# Allegro board AB9.brd (continued)
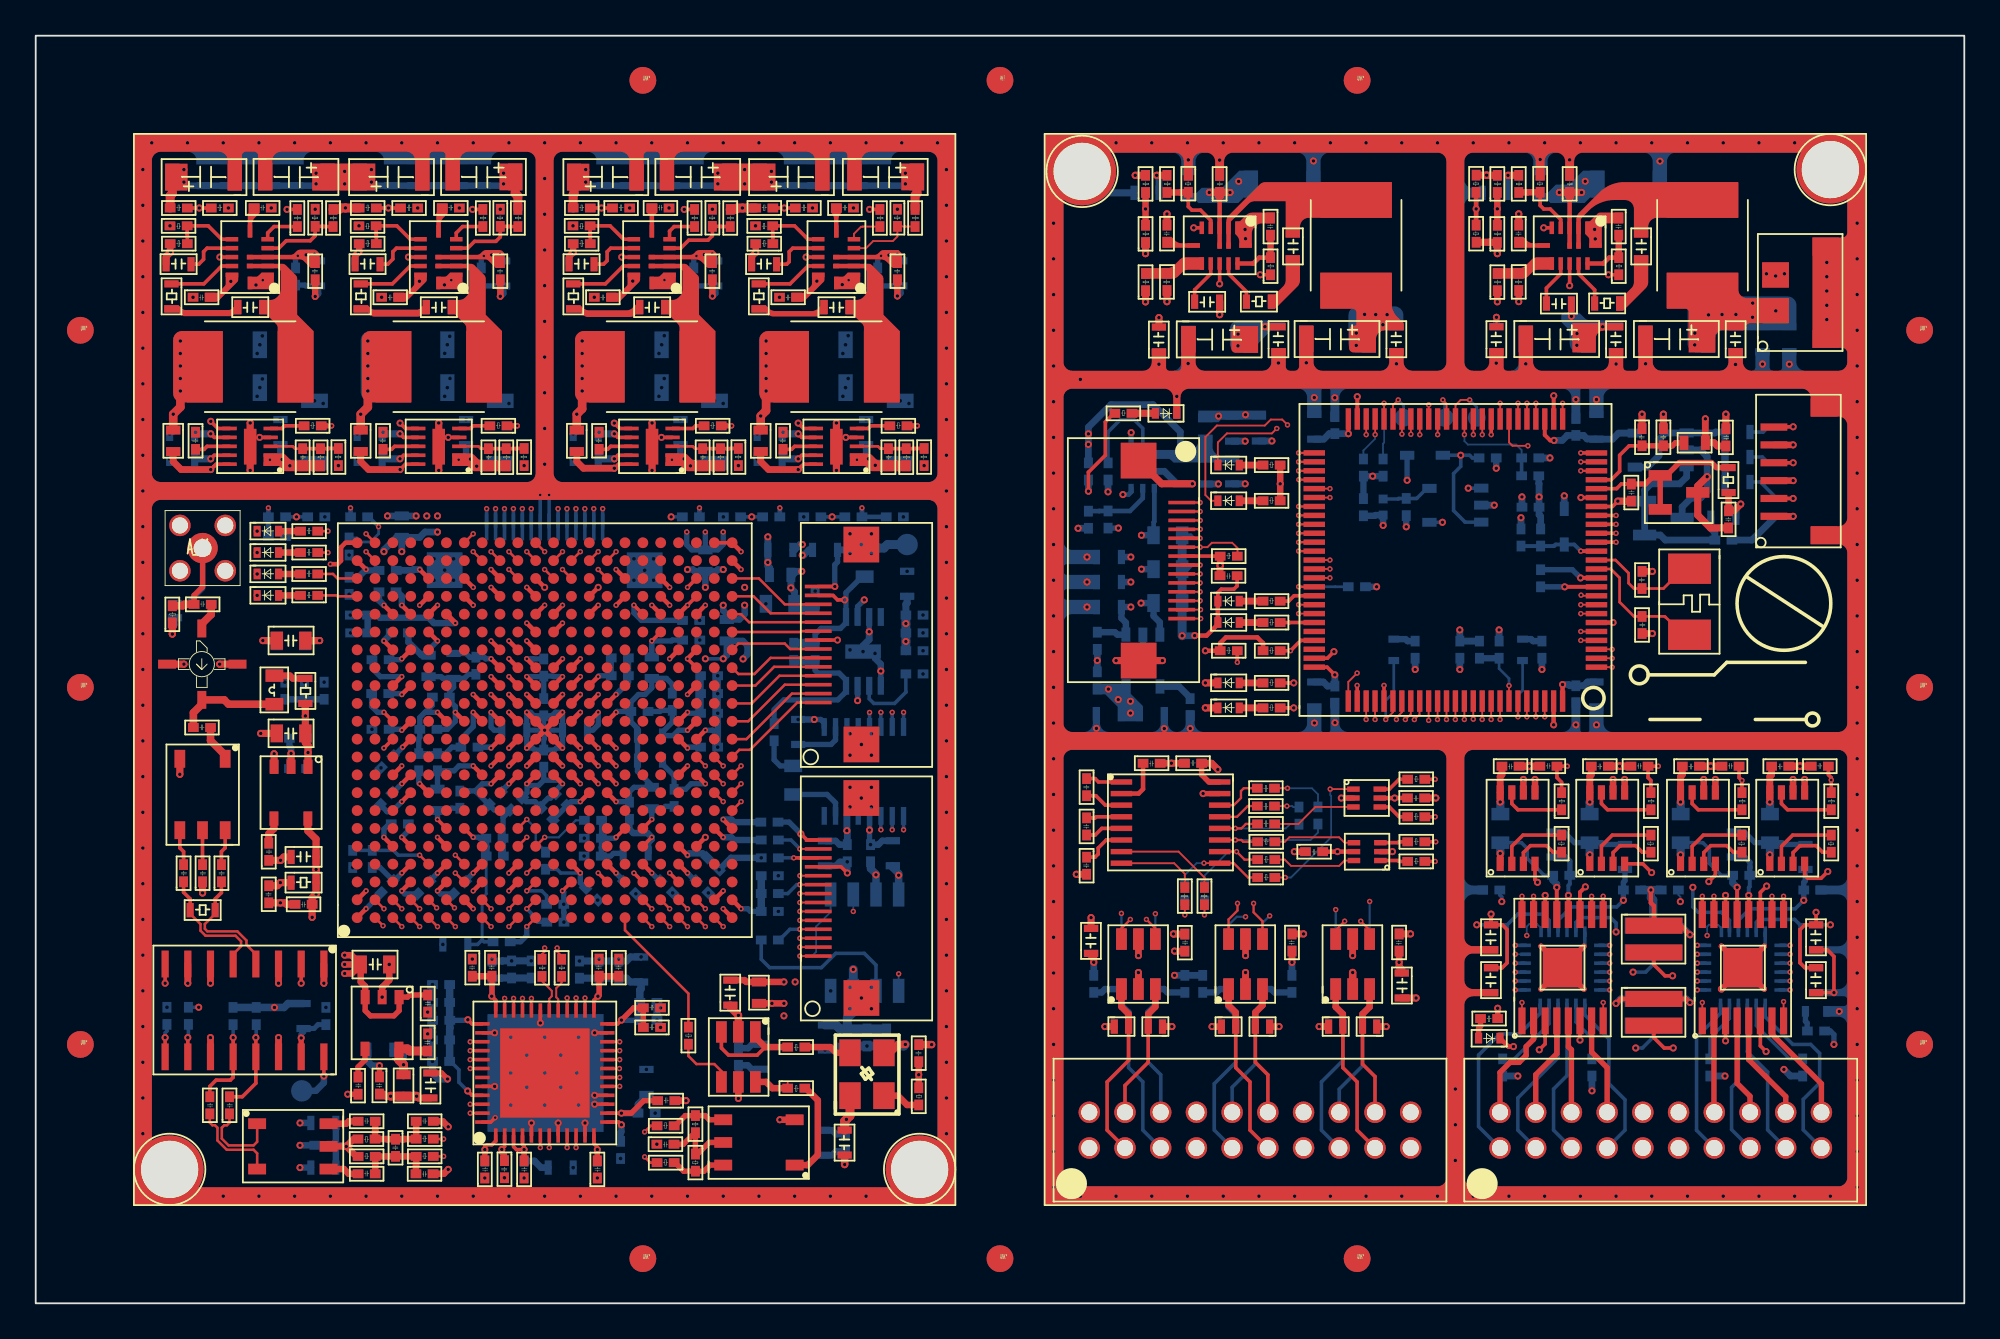
[diagram p0: board, top side]
## Routing (per net, layer and track width the routed paths; a pad name or vN(x,y) marks a point on that pad's centre or on a via; arc(x,y) is an arc through that point) (continued)
B_BOOT1: length 6.1
  TOP w0.1: B_U4.37 v1(80.01,48.66)
  BOTTOM w0.1: v1(80.01,48.66) 80.01,48.29 80.2,48.1 82.9,48.1 83.21,47.79 B_R55.1
  BOTTOM w0.2: B_R55.1 B_R60.1
B_ENC1_A: length 10
  BOTTOM w0.2: B_D21.2 73.2,13.6 72,12.4 72,9.7 B_J4.8
  BOTTOM w0.36: B_D21.2 73.2,16.21 72.8,16.61 B_U22.3
B_ENC1_A_BUF: length 68.6
  TOP w0.127: v1(86.53,47.13) B_U4.24
  SIGNAL-L7 w0.127: v1(72.8,22.05) 72.8,22.5 72.35,22.95 65.11,22.95 64.08,23.99 64.08,30.39 64.06,30.4 64.06,35.82 62.88,37 62.88,38.81 63.7,39.64 63.7,46.36 64.76,47.42 67.67,47.42 68.56,46.53 68.56,45.32 68.13,44.88 68.13,42.1 68.91,41.33 70.87,41.33 71.33,41.78 71.33,43.33 72.45,44.45 73.85,44.45 74.75,45.35 77.79,45.35 79.34,46.89 80.71,46.89 81.2,47.39 82.16,47.39 83.15,46.39 84.87,46.39 85.6,47.13 v1(86.53,47.13)
  BOTTOM w0.127: v1(72.8,22.05) B_U22.4
B_ENC1_B: length 7.6
  BOTTOM w0.2: B_D20.2 74.3,13.3 73,12 B_J4.13
  BOTTOM w0.36: B_U22.1 74.7,16.61 74.3,16.21 B_D20.2
B_ENC1_B_BUF: length 68.5
  TOP w0.127: B_U4.23 v1(86.53,46.63)
  SIGNAL-L7 w0.127: v1(74.7,22.51) 73.76,23.45 65.45,23.45 64.63,24.27 64.63,29.89 65.49,30.75 65.49,32.38 64.61,33.26 64.61,36.19 63.48,37.31 63.48,38.54 64.15,39.21 64.15,46.08 64.95,46.88 66.57,46.88 66.58,46.88 66.58,46.87 67.03,46.42 67.03,45.22 67.33,44.91 67.33,41.66 68.34,40.65 71.01,40.65 71.95,41.59 71.95,42.86 72.87,43.78 74.38,43.78 75.41,44.8 78.19,44.8 79.64,46.25 81.01,46.25 81.42,45.83 85.29,45.83 86.09,46.63 v1(86.53,46.63)
  BOTTOM w0.127: v1(74.7,22.51) B_U22.6
B_ENC2_A: length 7.4
  TOP w0.2: B_J4.12 75,12.7 74.3,13.4 B_D13.2
  TOP w0.36: B_U14.3 74.7,16.6 74.3,16.2 B_D13.2
B_ENC2_A_BUF: length 18.1
  TOP w0.1: 81,33.73 v1(81,32.7)
  TOP w0.127: v1(74.2,21.4) 74.7,20.9 B_U14.4
  SIGNAL-L7 w0.1: v1(81,32.7) 81,25.23 77.18,21.4 v1(74.2,21.4)
B_ENC2_B: length 9.8
  TOP w0.2: B_J4.9 74,9.7 74,12.4 73.2,13.2 B_D12.2
  TOP w0.36: B_D12.2 73.2,16.2 72.8,16.6 B_U14.1
B_ENC2_B_BUF: length 18.3
  TOP w0.1: 80.5,33.73 v1(80.5,32.72)
  TOP w0.127: B_U14.6 72.8,20.9 v1(73.3,21.4)
  SIGNAL-L7 w0.1: v1(80.5,32.72) 80.5,25.58 76.85,21.93 73.83,21.93 v1(73.3,21.4)
B_ENC3_A: length 7.4
  TOP w0.2: B_D11.2 68.3,13.5 69,12.8 B_J4.15
  TOP w0.36: B_D11.2 68.3,16.29 68.7,16.69 B_U13.3
B_ENC3_A_BUF: length 25.3
  TOP w0.127: B_U4.60 v1(70.72,43.13) ; B_U13.4 68.7,21.4 68.2,21.9 v1(68.2,22.4)
  SIGNAL-L3 w0.127: v1(68.2,22.4) 68.44,22.64 68.44,41.61 69.96,43.13 v1(70.72,43.13)
B_ENC3_B: length 9.8
  TOP w0.2: B_D10.2 67.2,13.2 68,12.4 68,9.7 B_J4.6
  TOP w0.36: B_U13.1 66.8,16.69 67.2,16.29 B_D10.2
B_ENC3_B_BUF: length 26.3
  TOP w0.127: B_U13.6 66.8,21.5 67.3,22 v1(67.3,22.4) ; B_U4.59 v1(70.72,43.63)
  SIGNAL-L3 w0.127: v1(70.72,43.63) 69.71,43.63 67.87,41.79 67.87,22.97 v1(67.3,22.4)
B_ENC4_A: length 7.6
  TOP w0.2: B_J4.19 61,12.2 62.3,13.5 B_D9.2
  TOP w0.36: B_U12.3 62.7,16.61 62.3,16.21 B_D9.2
B_ENC4_A_BUF: length 52.6
  TOP w0.1: B_U4.40 v1(78.51,48.66)
  TOP w0.127: B_U12.4 62.7,21 v1(62.2,21.5)
  SIGNAL-L7 w0.127: v1(78.51,48.66) 78.51,48.3 77.59,47.38 71.97,47.38 70.98,48.37 70.98,49.35 68.91,51.42 66.29,51.42 65.42,50.54 65.42,49.64 62.92,47.15 62.92,45.44 61.74,44.25 60.5,44.25 59.97,43.73 59.97,37.58 58.75,36.36 58.75,28.73 62.2,25.28 v1(62.2,21.5)
B_ENC4_B: length 10
  TOP w0.2: B_J4.2 60,9.7 60,12.4 61.2,13.6 B_D8.2
  TOP w0.36: B_D8.2 61.2,16.21 60.8,16.61 B_U12.1
B_ENC4_B_BUF: length 52.4
  TOP w0.1: B_U4.42 v1(77.51,48.66)
  TOP w0.127: B_U12.6 60.8,21 v1(61.3,21.5)
  SIGNAL-L7 w0.127: v1(77.51,48.66) 77.51,48.32 77.12,47.93 72.28,47.93 71.61,48.6 71.61,49.6 69.27,51.93 65.87,51.93 64.77,50.84 64.77,50 62.35,47.59 62.35,45.65 61.45,44.74 60.43,44.74 59.5,43.81 59.5,38.28 58.02,36.8 58.02,28.19 61.55,24.66 61.55,21.75 v1(61.3,21.5)
B_GND: length 201
  TOP w0.2: B_J3.8 v1(65.21,41.35) ; B_U4.74 72.33,36.13 v2(72.7,36.5) ; B_C45.1 100.33,19.8 100.7,19.43 v2(100.7,17.4) B_C51.1 ; B_C26.2 67.28,40.18 67.1,40 66.39,40 66.2,39.81 B_D4.1 ; B_U4.19 88.3,44.63 v2(88.6,44.93) ; B_U4.20 v2(86.53,45.13) ; B_J3.5 v1(65.21,42.85)
  TOP w0.22: B_U4.10 v2(85.62,40.13) ; B_U4.49 v2(74.01,50.78) ; B_U15.13 v2(85.18,23.3) ; B_U16.13 v2(95.28,23.3) ; B_U4.27 v2(85.01,50.83)
  TOP w0.25: 85,33.73 v2(85,32.4) ; B_D4.1 B_D5.1 66.2,38.03 65.57,37.4 v2(64.9,37.4) ; v2(92.64,16.85) 92.44,17.05 B_R51.1 88.74,17.05 88.5,16.8 v2(88.5,16.8) ; B_D14.1 82.47,14.38 v2(82.75,14.38) ; v2(90.45,23.15) 90.45,22.43 90.62,22.26 B_R50.1 92.13,21.15 v2(92.64,20.64)
  TOP w0.3: B_U15.17 v1(86.7,17.6) ; B_U15.17 v1(84.3,20) ; B_U15.17 v1(86.7,20) ; B_U15.17 v1(84.3,17.6) ; B_U5.2 v2(73.11,28.3) ; v1(94.4,20) B_U16.17 ; B_U16.17 v2(94.4,17.6) ; B_U16.17 v1(96.8,20) ; B_U16.17 v1(96.8,17.6) ; B_U6.15 v2(65.37,28.55) ; B_U11.2 v2(75.98,25.3)
  TOP w0.36: B_U9.6 v2(93.41,29.34) ; B_U10.5 v2(99.06,29.34) ; B_J2.5 v2(98.42,48.08) ; B_U10.6 v2(98.41,29.34) ; B_U7.5 v2(83.96,29.34) ; B_U7.6 v2(83.31,29.34) ; B_U9.5 v2(94.06,29.34) ; B_J2.3 v2(98.42,46.08) ; B_U10.1 v2(97.11,25.12) ; B_C42.1 v2(70.48,25.3) ; B_U8.5 v2(88.98,29.34) ; B_D11.1 v2(69.63,15.5) ; B_R15.1 v2(81.85,56.09) ; B_U9.1 v2(92.11,25.12) ; B_U8.6 v2(88.33,29.34) ; B_D10.1 v2(65.87,15.5) ; B_U7.1 v2(82.01,25.2) ; B_J2.1 v2(98.42,44.08) ; B_U8.1 v2(87.03,25.12)
  TOP w0.38: B_D8.1 v2(59.87,15.5) ; B_U13.2 v2(67.75,18.53) ; B_U12.2 v2(61.75,18.53) ; v2(63.71,20.69) 63.72,20.68 B_C47.2 ; B_D9.1 v2(63.63,15.5) ; B_C52.2 v2(77.3,17.1) ; B_C48.1 v2(71,20.69) ; B_C43.2 v2(58.27,24.03) ; B_C46.2 v2(59.1,21.6) ; B_C27.1 v2(90.53,40.99) ; B_D12.1 v2(71.87,15.5) ; B_C28.1 v2(90.53,37.51) ; B_C30.2 v2(63.6,30.25) B_C29.2 ; B_D13.1 v2(75.63,15.5) ; B_C49.1 v2(76.99,20.69) ; B_C40.2 v2(78.41,28.3)
  TOP w0.4: B_C5.1 v2(63.35,61.02) ; B_J3.M1 63.06,45.9 v2(64.77,45.9) ; B_C22.1 v2(91.15,49.8) ; v2(63.09,36) B_J3.M2 v2(60.5,36) ; B_C23.2 v2(94.65,49.8) ; B_C24.1 v2(88.6,44.93) ; v2(81.85,58.79) B_R10.1 81.42,59.42 81.41,59.43 B_R9.2 ; B_R13.1 v2(62.15,56.09) ; B_C6.1 v2(83.05,61.02) ; B_D7.1 v2(65.5,33.35) ; B_C25.2 93.79,43.43 93.07,44.15 B_U3.3 93.07,45.77 v2(93.6,46.3) ; B_D6.1 v2(65.5,34.75) ; B_C21.1 v2(89.95,49.8) ; B_R8.1 v2(62.15,58.79)
  TOP w0.42: B_U14.2 v2(73.75,18.53) ; B_C38.2 v2(98.8,30.08) B_C37.2 ; B_C31.2 v2(83.65,30.08) B_C32.2 ; B_C35.2 v2(93.8,30.08) B_C36.2 ; B_C33.2 v2(88.7,30.08) B_C34.2
  BOTTOM w0.2: B_U15.17 v1(86.7,17.6) ; B_U15.17 v1(86.7,20) 86.75,20.05 B_U26.18 ; B_U15.17 v1(84.3,17.6) ; B_U15.17 v1(84.3,20) ; B_C87.1 64.52,41.12 64.75,41.35 v1(65.21,41.35) ; v1(65.21,42.85) 64.85,42.85 64.68,43.02 B_C83.1 ; B_C112.2 84.47,23.97 83.52,24.92 83.52,25.47 83.2,25.8 B_C106.1 ; B_U25.18 96.85,20.05 v1(96.8,20) ; B_C111.2 94.39,23.97 93.72,24.64 93.72,25.43 93.36,25.8 B_C104.1
  BOTTOM w0.26: B_U18.3 61.34,45.44 61.2,45.3 v2(60.88,45.3)
  BOTTOM w0.3: B_C108.2 85.58,26.4 86.18,25.8 B_C105.1 87.7,25.8 87.8,25.7 B_C110.2 ; v1(96.8,20) B_U16.17 ; B_U16.17 v1(96.8,17.6) ; B_U16.17 v1(94.4,20) ; B_U16.17 v2(94.4,17.6) ; B_C109.2 97.9,25.7 97.8,25.8 B_C103.1 96.28,25.8 95.68,26.4 B_C107.2 ; B_C88.2 v2(85.62,40.13)
  BOTTOM w0.36: B_D11.1 v2(69.63,15.5) ; B_R56.2 v2(74.87,46.33) B_R57.2 B_C81.2 ; B_C76.1 v2(81.79,46.77) ; B_D10.1 v2(65.87,15.5) ; B_C80.2 v2(76.75,43.49)
  BOTTOM w0.38: B_D13.1 v2(75.63,15.5) ; B_C120.1 v2(63.71,20.69) ; B_U17.2 93.22,47.8 93.6,47.42 v2(93.6,46.3) 93.6,45.48 93.22,45.1 92.7,45.1 92.2,44.6 B_U20.3 ; B_C75.1 v2(67.73,48.29) ; B_U14.2 v2(73.75,18.53) ; B_C49.1 v2(76.99,20.69) ; B_C93.2 v2(79.75,35.5) ; v2(88.5,16.8) 88.75,17.05 B_R82.1 92.44,17.05 v2(92.64,16.85) ; B_U18.7 63.2,46.6 63.9,45.9 B_C79.2 v2(64.77,45.9) ; B_C74.1 v2(69.23,48.3) ; B_D9.1 v2(63.63,15.5) ; B_R85.2 v2(94.6,12.73) ; B_C111.2 95.03,23.55 v2(95.28,23.3) ; B_C94.2 v2(59.45,36.01) B_C92.2 ; B_R55.2 v2(84.8,47.35) ; B_D12.1 v2(71.87,15.5) ; v2(63.09,36) 62.4,36 62,36.4 B_U21.2 ; B_C85.1 96.11,42.75 97.44,44.08 v2(98.42,44.08) ; B_C102.2 63.6,30.25 v2(63.6,30.25) ; B_C82.2 v2(83.23,45.17) ; B_C48.1 v2(71,20.69) ; B_D16.1 v2(85.6,45.23) ; B_D8.1 v2(59.87,15.5) ; B_C46.2 v2(59.1,21.6) ; B_C52.2 v2(77.3,17.1) ; B_C77.1 v2(67.73,45.9) ; B_C84.1 v2(83.17,44) ; v2(64.2,37.39) 64.89,37.39 v2(64.9,37.4) ; B_R86.2 v2(87.15,11.9) ; v2(92.64,20.64) 92.13,21.15 B_R77.1 ; B_C14.1 81.8,52.67 v2(81.79,52.66) ; B_R84.2 98.27,12.73 v2(97.9,13.1) ; B_R68.1 v2(81.95,37.72) ; B_R64.1 v2(58.37,43.41) ; B_C78.1 v2(66.23,45.89) ; v2(85.18,23.3) 85.18,23.47 84.95,23.7 B_C112.2 ; B_U19.2 v2(81.68,44.7) ; B_U12.2 v2(61.75,18.53) ; B_U13.2 v2(67.75,18.53) ; B_R87.2 v2(83,12.73)
  BOTTOM w0.4: 58.6,63.4 59.8,62.2 B_C58.1
  BOTTOM w0.46: v2(82.01,25.2) 82.02,25.21 B_C106.1 ; v2(90.45,23.15) B_C114.2 ; v2(90.45,23.15) B_R73.2 ; v2(90.45,23.15) 90.45,22.72 90.58,22.59 B_R77.1 ; v2(97.11,25.12) 97.12,25.13 B_C103.1 ; B_C105.1 87.02,25.13 v2(87.03,25.12) ; v2(92.11,25.12) 92.12,25.13 B_C104.1
  BOTTOM w0.5: B_C83.1 B_C87.1 B_C90.1 v2(64.2,37.39)
  vias: v2(57,60.5) v2(57,58.5) v2(57,56.5) v2(57,54.5) v2(57,52.5) v2(57,50.5) v2(57,48.5) v2(57,46.5) v2(57,44.5) v2(57,42.5) v2(57,40.5) v2(57,38.5) v2(57,36.5) v2(57,34.5) v2(57,32.5) v2(57,30.5) v2(57,28.5) v2(57,26.5) v2(57,24.5) v2(57,22.5) v2(57,20.5) v2(57,18.5) v2(57,16.5) v2(57,14.5) v2(57,12.5) v2(57,10.5) v2(57,8.5) v2(57,6.5) v2(58.5,51.75) v2(58.5,6) v2(58.87,41.8) v2(58.87,40.4) v2(58.87,39) v2(59.4,32.2) v2(60.5,65) v2(60.5,6) v2(62.5,65) v2(62.5,6) v2(62.9,52.6) v2(63.2,32.19) v2(63.9,50.8) v2(64.5,65) v2(64.55,64.04) v2(64.53,52.64) v2(64.5,6) v2(64.65,32.2) v2(66.3,64.03) v2(66.5,65) v2(66.5,6) v2(67.72,60.15) v2(67.75,59.63) v2(68.04,60.61) v2(68.5,65) v2(68.5,6) v2(69.59,52.67) v2(70.5,65) v2(70.5,6) v2(71.15,52.68) v2(71.55,63.98) v2(71.6,50.73) v2(71.61,32.5) v2(72.5,65) v2(72.5,6) v2(72.75,50.72) v2(72.76,32.52) v2(74.5,65) v2(74.5,6) v2(76.2,52.62) v2(76.5,65) v2(76.5,6) v2(78.5,65) v2(78.5,6) v2(79.5,12) v2(79.5,10) v2(79.5,8) v2(80.5,65) v2(80.5,6) v2(82.5,65) v2(82.5,6) v2(83.44,52.62) v2(84.25,64.07) v2(84.5,65) v2(84.5,6) v2(85.9,64.05) v2(86.25,50.62) v2(86.25,32.4) v2(86.5,65) v2(86.5,6) v2(87.3,60.15) v2(87.33,59.62) v2(87.4,50.62) v2(87.4,32.4) v2(87.64,60.61) v2(88.5,65) v2(88.5,52.61) v2(88.5,6) v2(90.15,52.62) v2(90.5,65) v2(90.5,6) v2(90.96,63.97) v2(92.5,65) v2(92.5,6) v2(94.5,65) v2(94.5,6) v2(95.19,52.59) v2(96.5,65) v2(96.5,6) v2(96.7,52.61) v2(96.92,57.66) v2(97.44,57.54) v2(97.93,57.66) v2(98.2,52.6) v2(98.5,65) v2(98.5,6) v2(100.3,58.3) v2(100.3,57.5) v2(100.3,56.7) v2(100.3,55.9) v2(100.3,55.1) v2(100.5,6) v2(101,16.35) v2(102,60.5) v2(102,58.5) v2(102,56.5) v2(102,54.5) v2(102,52.5) v2(102,50.5) v2(102,48.5) v2(102,46.5) v2(102,44.5) v2(102,42.5) v2(102,40.5) v2(102,38.5) v2(102,36.5) v2(102,34.5) v2(102,32.5) v2(102,30.5) v2(102,28.5) v2(102,26.5) v2(102,24.5) v2(102,22.5) v2(102,20.5) v2(102,18.5) v2(102,16.5) v2(102,14.5) v2(102,12.5) v2(102,10.5) v2(102,8.5) v2(102,6.5)
B_LIMIT_SW1: length 30.8
  TOP w0.127: B_U4.57 v1(70.72,44.63)
  SIGNAL-L3 w0.127: v1(70.72,44.63) 69.21,44.63 66.63,42.05 66.12,42.05 65.75,41.69 65.75,40.64 66.2,40.2 66.2,32.44 64.22,30.46 64.22,25.68 60.8,22.26 v1(60.8,21.84)
  BOTTOM w0.127: B_U24.4 v1(60.8,21.84)
B_LIMIT_SW2: length 28.7
  TOP w0.127: v1(70.72,44.13) B_U4.58
  SIGNAL-L3 w0.127: v1(62.7,21.82) 62.7,22.95 64.8,25.05 64.8,30.13 66.8,32.13 66.8,40.24 67.04,40.48 67.04,41.73 69.44,44.13 v1(70.72,44.13)
  BOTTOM w0.127: B_U24.6 v1(62.7,21.82)
B_LIMIT_SW3: length 25.6
  TOP w0.127: B_U4.61 v1(70.72,42.63)
  SIGNAL-L3 w0.127: v1(67.75,21.65) 68.25,21.65 68.91,22.31 68.91,41.34 70.21,42.63 v1(70.72,42.63)
  BOTTOM w0.127: v1(67.75,21.65) 67.26,21.65 66.8,21.19 B_U23.4
B_LIMIT_SW4: length 23.6
  TOP w0.127: v1(70.72,42.13) B_U4.62
  SIGNAL-L3 w0.127: v1(69.1,21.7) 69.58,22.18 69.58,41.33 70.38,42.13 v1(70.72,42.13)
  BOTTOM w0.127: v1(69.1,21.7) 68.7,21.3 B_U23.6
B_LSW1: length 11.4
  BOTTOM w0.2: B_D25.2 61.2,13.2 62,12.4 62,9.7 B_J4.3
  BOTTOM w0.36: B_R81.1 59.69,17.41 59.88,17.6 B_U24.3 60.8,16.69 61.2,16.29 B_D25.2
B_LSW2: length 9.1
  BOTTOM w0.2: B_D24.2 62.3,13.5 63,12.8 B_J4.18
  BOTTOM w0.36: B_R80.1 63.38,17.41 63.19,17.6 B_U24.1 62.7,16.69 62.3,16.29 B_D24.2
B_LSW3: length 11.5
  BOTTOM w0.2: B_J4.5 66,9.7 66,12.3 67.2,13.5 B_D23.2
  BOTTOM w0.36: B_D23.2 67.2,16.21 66.8,16.61 B_U23.3 66.31,17.6 66.12,17.41 B_R79.1
B_LSW4: length 9.3
  BOTTOM w0.2: B_D22.2 68.3,13.4 67,12.1 B_J4.16
  BOTTOM w0.36: B_D22.2 68.3,16.29 68.7,16.69 B_U23.1 69.19,17.6 69.38,17.41 B_R78.1
B_M1_DRV+: length 6.2
  TOP w0.3: B_U15.2 83.88,14.79 83.46,14.38 83.46,13.89 83.07,13.49 82.56,13.49 82,12.93 B_J5.20
B_M1_DRV-: length 5.6
  TOP w0.3: B_U15.4 85.18,13.98 84,12.8 B_J5.19
B_M1_I_ADC: length 27.3
  TOP w0.2: B_U4.16 v1(88.5,43.13) ; B_R33.2 90.45,29.28 90.29,29.44 B_C34.1 v1(90.87,30.08)
  SIGNAL-L3 w0.15: v1(88.5,43.13) 94.57,43.13 97.02,40.69 97.02,33.76 94.63,31.37 92.15,31.37 v1(90.87,30.08)
B_M1_PWM+: length 31.1
  TOP w0.1: B_U4.64 v1(72.48,41.13)
  TOP w0.2: B_U15.10 v1(87.13,22.8)
  SIGNAL-L4 w0.1: v1(87.13,22.8) 88.22,23.89 88.22,25.43 87.05,26.6 86.12,26.6 85.04,27.68 85.04,29.85 82.5,32.39 82.5,33.56 80.8,35.27 80.8,38.55 78.21,41.13 v1(72.48,41.13)
B_M1_PWM-: length 32.7
  TOP w0.1: v1(81.01,48.66) B_U4.35
  TOP w0.2: B_U15.9 v1(87.78,22.8)
  SIGNAL-L8 w0.1: v1(81.01,48.66) 81.01,37.23 84.11,34.13 85.36,34.13 86.83,32.66 86.83,29.42 85.93,28.53 85.93,27.5 88.54,24.9 88.54,23.55 v1(87.78,22.8)
B_M2_DRV+: length 5.5
  TOP w0.3: B_U15.7 87.13,14.07 88,13.2 B_J5.17
B_M2_DRV-: length 5.2
  TOP w0.3: B_J5.18 86,14.2 85.83,14.37 B_U15.5
B_M2_I_ADC: length 29.9
  TOP w0.2: B_U4.15 v1(88.5,42.63) ; v1(85.77,30.08) B_C32.1 85.19,29.44 85.45,29.18 B_R32.2
  SIGNAL-L3 w0.15: v1(85.77,30.08) 86.86,31.17 90.13,31.17 91.7,32.74 93.98,32.74 96.15,34.91 96.15,40.69 94.2,42.63 v1(88.5,42.63)
B_M2_PWM+: length 28.2
  TOP w0.1: B_U4.65 v1(72.48,40.63)
  TOP w0.2: B_U15.16 v1(83.23,22.8)
  SIGNAL-L4 w0.1: v1(72.48,40.63) 72.96,40.63 73.41,40.18 73.41,32.85 74.54,31.72 80.95,31.72 82.02,30.65 82.02,29.63 83.23,28.42 v1(83.23,22.8)
B_M2_PWM-: length 32.2
  TOP w0.1: v1(80.51,48.66) B_U4.36
  TOP w0.2: B_U15.15 v1(83.88,22.8)
  SIGNAL-L8 w0.1: v1(80.51,48.66) 80.51,47.2 79.25,45.94 79.25,44.8 79.91,44.14 79.91,40.73 78.76,39.58 78.76,35.18 79.64,34.29 81.46,34.29 82.47,33.28 82.47,28.96 83.33,28.1 83.33,23.34 v1(83.88,22.8)
B_M3_DRV+: length 5.1
  TOP w0.3: B_U16.2 93.98,10.85 94,10.83 B_J5.14
B_M3_DRV-: length 5.4
  TOP w0.3: B_U16.4 95.28,12.32 96,11.6 B_J5.13
B_M3_I_ADC: length 26.7
  TOP w0.2: B_C38.1 100.39,29.61 100.55,29.45 v1(100.55,29.31) B_R35.2 ; B_U4.18 v1(88.5,44.13)
  SIGNAL-L3 w0.15: v1(100.55,29.31) 100.87,29.63 100.87,31.11 99.25,32.72 99.25,40.21 95.33,44.13 v1(88.5,44.13)
B_M3_PWM+: length 42.9
  TOP w0.1: B_U4.44 v1(76.51,48.68)
  TOP w0.2: B_U16.16 v1(93.33,22.8)
  SIGNAL-L8 w0.1: v1(76.51,48.68) 76.51,47.86 77.33,47.03 78.45,47.03 79.41,47.99 79.41,48.93 79.82,49.34 81.69,49.34 82.32,48.7 82.32,47.26 82.54,47.04 82.54,44.31 81.93,43.69 81.93,38.69 85,35.63 86.25,35.63 89.99,31.88 89.99,27.93 91.42,26.51 91.42,24.77 92.1,24.09 92.1,23.19 92.55,22.73 92.94,22.73 93,22.8 v1(93.33,22.8)
B_M3_PWM-: length 43.2
  TOP w0.1: B_U4.43 v1(77.01,48.67)
  TOP w0.2: B_U16.15 v1(93.98,22.8)
  SIGNAL-L8 w0.1: v1(93.98,22.8) 93.98,23.17 94.31,23.49 94.31,27.29 92.36,29.24 92.36,30.75 87,36.11 85.33,36.11 82.89,38.55 82.89,42.81 83.66,43.59 83.66,46.65 82.88,47.43 82.88,48.93 82.01,49.81 79.62,49.81 79.01,49.2 79.01,48.22 78.27,47.48 77.44,47.48 77.01,47.91 v1(77.01,48.67)
B_M4_DRV+: length 6.3
  TOP w0.3: B_U16.7 97.23,15.07 100,12.3 B_J5.11
B_M4_DRV-: length 6
  TOP w0.3: B_J5.12 98,11.58 95.93,13.65 B_U16.5
B_M4_I_ADC: length 25.8
  TOP w0.2: B_C36.1 95.39,29.44 v1(95.55,29.28) B_R34.2 ; B_U4.17 v1(88.5,43.63)
  SIGNAL-L3 w0.15: v1(88.5,43.63) 94.93,43.63 98.15,40.41 98.15,33.14 95.87,30.86 95.87,29.6 v1(95.55,29.28)
B_M4_PWM+: length 40.4
  TOP w0.1: B_U4.63 v1(72.48,41.63)
  TOP w0.2: B_U16.9 v1(97.88,22.8)
  SIGNAL-L4 w0.1: v1(97.88,22.8) 98.62,23.54 98.62,25.39 97.71,26.3 91.03,26.3 89.48,27.85 88.53,27.85 87.53,28.86 87.53,29.47 85.61,31.39 85.61,33.18 82.89,35.9 82.89,38.1 79.35,41.63 v1(72.48,41.63)
B_M4_PWM-: length 39.5
  TOP w0.1: B_U4.32 82.51,48.22 82.7,48.03 v1(83.56,48.03)
  TOP w0.2: B_U16.10 v1(97.23,22.8)
  SIGNAL-L8 w0.1: v1(97.23,22.8) 98.11,23.68 98.11,25.77 97.25,26.62 96.39,26.62 94.95,28.06 94.95,32.17 92.42,34.7 90.14,34.7 89.11,35.73 89.11,36.83 88.72,37.22 87.63,37.22 87,36.59 85.82,36.59 84.92,37.5 84.92,46.17 83.56,47.52 v1(83.56,48.03)
B_MCU_LED1: length 1.9
  TOP w0.2: B_U4.70 70.22,38.13 70.22,38.13 B_R25.1
B_MCU_LED2: length 2
  TOP w0.2: B_U4.67 70.47,39.63 70.17,39.33 B_R24.1
B_MCU_LED3: length 5.7
  TOP w0.2: 74,33.73 74,34.6 74,34.6 v1(74,34.61) ; B_R28.1 v2(70.45,34.75)
  SIGNAL-L7 w0.127: v1(74,34.61) 73.62,34.61 73.07,34.06 71.14,34.06 v2(70.45,34.75)
B_MCU_LED4: length 7.2
  TOP w0.2: v1(75.5,34.61) 75.5,33.73 ; B_R29.1 v2(70.45,33.35)
  SIGNAL-L7 w0.127: v2(70.45,33.35) 73.63,33.35 74.89,34.61 v1(75.5,34.61)
B_MCU_RST_CPU: length 25.6
  TOP w0.1: B_J3.6 v1(65.21,42.35) 65.62,42.35 65.87,42.6 67,42.6 67.3,42.3 67.3,41.86 B_R23.1 ; B_U4.33 v1(82.01,50.41)
  SIGNAL-L4 w0.1: v1(82.01,50.41) 81.35,50.41 80.55,49.62 75.95,49.62 75.69,49.35 75.69,47.96 75.04,47.32 73.02,47.32 70.97,45.27 69.27,45.27 66.35,42.35 v1(65.21,42.35)
B_MCU_RST_FPGA: length 10.3
  TOP w0.127: v1(70.72,40.13) B_U4.66 ; B_J3.10 v1(65.21,40.35)
  SIGNAL-L4 w0.1: v1(70.72,40.13) 70.38,40.13 70.16,40.35 v1(65.21,40.35)
  BOTTOM w0.15: v1(70.72,40.13) 72.76,40.13 72.76,40.13 B_R66.1
B_MCU_SPI2_MISO: length 8.6
  TOP w0.127: B_U4.53 71.59,46.63 v1(70.72,46.63) ; B_J3.3 v1(65.21,43.85)
  SIGNAL-L3 w0.127: v1(65.21,43.85) 66.54,43.85 69.32,46.63 v1(70.72,46.63)
B_MCU_SPI2_MOSI: length 8.6
  TOP w0.127: B_J3.4 64.19,43.36 v1(65.22,43.36) ; B_U4.54 v1(70.74,46.13)
  SIGNAL-L3 w0.127: v1(65.22,43.36) 67.01,43.36 68.79,45.15 69.75,45.15 v1(70.74,46.13)
B_MCU_SPI2_NSS: length 9.5
  TOP w0.127: v1(70.72,47.63) B_U4.51 ; B_J3.1 v1(65.21,44.85)
  SIGNAL-L3 w0.127: v1(70.72,47.63) 67.56,47.63 66.7,46.77 66.7,45.26 66.29,44.85 v1(65.21,44.85)
B_MCU_SPI2_SCK: length 9.3
  TOP w0.127: v1(65.21,44.35) B_J3.2 ; B_U4.52 v1(70.72,47.13)
  SIGNAL-L3 w0.127: v1(65.21,44.35) 66.27,44.35 67.15,45.23 67.15,46.5 67.78,47.13 v1(70.72,47.13)
B_MCU_UART1_RXD: length 7.7
  TOP w0.1: B_U4.69 v1(70.72,38.63) ; B_J3.12 v1(65.21,39.35)
  SIGNAL-L7 w0.1: v1(70.72,38.63) 69.87,38.63 69.15,39.35 v1(65.21,39.35)
B_MCU_UART1_TXD: length 7.7
  TOP w0.1: B_J3.11 v1(65.21,39.85) ; B_U4.68 v1(70.72,39.13)
  SIGNAL-L7 w0.1: v1(70.72,39.13) 70.06,39.13 69.34,39.85 v1(65.21,39.85)
B_MCU_UART3_RXD: length 36
  TOP w0.1: v1(72.48,45.13) B_U4.56
  TOP w0.2: B_R37.1 v1(78.37,27.25)
  SIGNAL-L8 w0.1: v1(72.48,45.13) 72.9,45.13 73.1,44.94 73.1,44.04 72.56,43.51 72.14,43.51 71.34,42.71 71.34,41.76 70.88,41.3 68.72,41.3 66.17,38.75 66.17,32.3 68.48,29.99 78.71,29.99 79.3,29.4 79.3,28.18 v1(78.37,27.25)
B_MCU_UART3_TXD: length 38.5
  TOP w0.1: v1(72.48,45.63) B_U4.55
  TOP w0.2: B_R40.1 v1(78.4,25.85)
  SIGNAL-L8 w0.1: v1(78.4,25.85) 80,27.45 80,29.5 79.03,30.47 69.04,30.47 66.8,32.71 66.8,38.55 69.07,40.82 71.29,40.82 71.88,41.41 71.88,42.48 72.33,42.92 72.92,42.92 73.55,43.55 73.55,45.21 73.13,45.63 v1(72.48,45.63)
B_MCU_UART4_RXD: length 7.1
  TOP w0.1: 75,33.73 v1(75,32.7)
  TOP w0.2: B_R30.1 v1(78.37,29.35)
  SIGNAL-L7 w0.1: v1(78.37,29.35) 78.37,30.23 77.3,31.3 76.08,31.3 75,32.37 v1(75,32.7)
B_MCU_UART4_TXD: length 11.7
  TOP w0.1: 74.5,33.73 v1(74.5,32.7)
  TOP w0.2: v1(78.37,24.75) B_R46.1
  SIGNAL-L7 w0.1: v1(78.37,24.75) 78.37,25.13 77.6,25.9 77.6,29.9 76.9,30.6 75.9,30.6 74.5,32 v1(74.5,32.7)
B_N01539: length 14.3
  TOP w0.2: B_C44.2 82.13,21.2 82.4,20.93 82.4,19.07 82.13,18.8 B_C50.2
  TOP w0.22: B_U15.14 v2(84.53,22.85) ; B_U15.11 86.48,23.02 v2(86.78,23.33) ; B_C44.2 v2(81.5,21.8)
  SIGNAL-L4 w0.2: v2(86.78,23.33) 86.48,23.02 86.48,22.36 86.17,22.05 84.54,22.05 ; 84.54,22.05 84.28,21.8 v2(81.5,21.8) ; 84.54,22.05 84.53,22.06 v2(84.53,22.85)
B_N02684: length 21.5
  TOP w0.2: v2(90.49,24.13) 90,24.61 B_U8.4 ; v2(84.2,14.2) 84.53,14.53 B_U15.3
  SIGNAL-L8 w0.2: v2(90.49,24.13) 91.28,23.34 91.28,21.05 89.41,19.17 89.41,18.59 v2(89.45,18.55) 89.45,15.35 87.8,13.7 84.7,13.7 v2(84.2,14.2)
  BOTTOM w0.2: v2(89.45,18.55) 90.16,18.55 90.58,18.97 B_R77.2
B_N02906: length 28.5
  TOP w0.2: B_U7.4 83.96,23.72 v2(84.1,23.58) ; B_U15.6 v2(86.48,14.74)
  SIGNAL-L3 w0.2: v2(86.48,14.74) 86.92,14.3 v2(89.6,14.3)
  SIGNAL-L7 w0.2: v2(86.48,14.74) 85.13,13.39 80.2,13.39 79.25,14.34 79.25,21.7 80.52,22.97 81.47,22.97 82.09,23.58 v2(84.1,23.58)
  BOTTOM w0.2: B_R82.2 90.58,14.9 89.98,14.3 v2(89.6,14.3)
B_N04940: length 1.3
  TOP w0.38: B_D2.2 B_R20.2
B_N07800: length 4
  TOP w0.2: B_U7.2 82.66,25.59 83.29,26.22 B_R41.1
B_N07815: length 3.1
  TOP w0.2: B_U7.3 83.31,25.24 83.7,25.63 84.6,25.63 84.97,25.26 B_R41.2
B_N08892: length 4
  TOP w0.2: B_U8.2 87.68,25.61 88.29,26.22 B_R42.1
B_N08904: length 3.1
  TOP w0.2: B_U8.3 88.33,25.24 88.72,25.63 89.6,25.63 89.97,25.26 B_R42.2
B_N10404: length 3.5
  TOP w0.2: B_R33.1 88.02,27.64 87.68,27.99 B_U8.7
B_N11136: length 3.6
  TOP w0.2: B_U7.7 82.66,27.99 83,27.64 B_R32.1
B_N27735: length 16
  TOP w0.2: v2(94.63,22.85) B_U16.14 ; v2(96.93,23.37) 96.58,23.01 B_U16.11 ; v2(99.7,21.9) B_C45.2 99.07,21.2 98.8,20.93 98.8,19.07 99.07,18.8 B_C51.2
  SIGNAL-L3 w0.2: 97.62,24.05 95.05,24.05 94.63,23.63 v2(94.63,22.85) ; 97.62,24.05 v2(96.93,23.37) ; 97.62,24.05 98.85,24.05 99.7,23.2 v2(99.7,21.9)
B_N27979: length 23.1
  TOP w0.2: B_U16.3 v2(94.63,14.7) ; B_U10.4 99.06,23.99 99.24,23.81 99.98,23.81 v2(100.36,24.18) ; v2(91.7,14.3) 91.19,14.3 90.62,14.87 B_R51.2
  SIGNAL-L3 w0.2: v2(91.7,14.3) 94.23,14.3 v2(94.63,14.7)
  SIGNAL-L4 w0.2: v2(100.36,24.18) 101.16,23.38 101.16,19.71 99.57,18.12 99.57,15.88 98.39,14.7 v2(94.63,14.7)
B_N28117: length 22.6
  TOP w0.2: B_R50.2 90.62,18.96 91.24,18.34 v2(91.67,18.34) ; v2(96.9,14.1) 96.58,14.42 B_U16.6 ; B_U9.4 94.06,23.99 v2(93.69,23.62)
  SIGNAL-L4 w0.2: v2(91.67,18.34) 91.7,18.37 91.7,18.95 90.9,19.75 90.9,23.17 91.74,24.01 93.3,24.01 v2(93.69,23.62)
  SIGNAL-L8 w0.2: v2(96.9,14.1) 96.5,13.7 93.2,13.7 91.67,15.23 v2(91.67,18.34)
B_N28299: length 4
  TOP w0.2: B_R43.1 93.39,26.22 92.76,25.59 B_U9.2
B_N28303: length 3.1
  TOP w0.2: B_U9.3 93.41,25.24 93.8,25.63 94.7,25.63 95.07,25.26 B_R43.2
B_N28307: length 4
  TOP w0.2: B_R44.1 98.39,26.22 97.76,25.59 B_U10.2
B_N28311: length 3.1
  TOP w0.2: B_R44.2 100.07,25.26 99.7,25.63 98.8,25.63 98.41,25.24 B_U10.3
B_N28637: length 1.3
  TOP w0.38: B_R22.2 B_D3.2
B_N28731: length 3.6
  TOP w0.2: B_U9.7 92.76,27.99 93.1,27.64 B_R34.1
B_N28759: length 3.6
  TOP w0.2: B_U10.7 97.76,27.99 98.1,27.64 B_R35.1
B_N30927: length 3.5
  BOTTOM w0.18: B_U26.2 86.25,15.75 87.15,14.85 B_R86.1
B_N30933: length 4.5
  BOTTOM w0.18: B_U26.5 84.75,15.65 82.79,13.69 B_R87.1
B_N33222: length 20.1
  SIGNAL-L8 w0.2: v2(80.7,21.2) 81,20.9 82.55,20.9 83.09,21.44 84.84,21.44 85.48,20.8 v2(88.5,20.8)
  BOTTOM w0.2: B_U26.14 84.75,21.45 84.4,21.8 83,21.8 82.4,21.2 ; 82.4,21.2 B_C116.1 v2(80.7,21.2) ; 82.4,21.2 82.4,19.07 82.13,18.8 B_C122.1 ; v2(88.5,20.8) 88.5,21.3 88.2,21.6 86.51,21.6 86.25,21.34 B_U26.17
B_N38076: length 8.2
  SIGNAL-L4 w0.1: v1(82.85,19.55) 80.71,19.55 80.1,20.16 80.1,21.72 80.88,22.5 v2(82.1,22.5)
  BOTTOM w0.1: v1(82.85,19.55) B_U26.11
  BOTTOM w0.2: v2(82.1,22.5) 82.1,22.76 81.99,22.87 B_R74.1
B_N39890: length 1.2
  BOTTOM w0.36: B_D18.2 76.71,37.2 76.82,37.09 B_R70.1
B_N41862: length 21.8
  SIGNAL-L4 w0.2: v2(100.5,21.2) 100.2,20.9 97.86,20.9 97.23,21.53 93.18,21.53 92.67,22.04 92.67,22.75 92.8,22.87 v2(92.8,23.3)
  BOTTOM w0.2: v2(100.5,21.2) B_C115.1 98.8,21.2 ; B_C121.1 99.07,18.8 98.8,19.07 98.8,21.2 ; 98.8,21.2 98.5,21.5 96.51,21.5 96.35,21.34 B_U25.17 ; v2(92.8,23.3) 92.8,22.2 93.1,21.9 94.4,21.9 94.85,21.45 B_U25.14
B_N42130: length 4.6
  BOTTOM w0.18: B_U25.2 96.35,15.55 98.2,13.7 98.51,13.7 98.52,13.69 B_R84.1
B_N42224: length 3.5
  BOTTOM w0.18: B_U25.5 94.85,15.95 93.75,14.85 B_R85.1
B_N42300: length 5
  SIGNAL-L4 w0.1: v2(92.1,22.5) 91.83,22.23 91.83,20.27 92.55,19.55 v1(93.05,19.55)
  BOTTOM w0.1: v2(92.1,22.5) 92.1,22.77 91.99,22.88 B_R73.1
  BOTTOM w0.2: B_U25.11 v1(93.05,19.55)
B_N42416: length 1.1
  BOTTOM w0.36: B_R67.1 83.85,37.09 83.74,37.2 B_D17.2
B_N50111: length 23.5
  TOP w0.26: B_R4.2 v2(80.66,61.3) B_R9.1
  SIGNAL-L3 w0.2: v2(79.8,47.5) 79.8,47.95 79.44,48.31 79.44,60.08 v2(80.66,61.3)
  BOTTOM w0.2: v2(79.8,47.5) 80.3,47.5 80.45,47.35 B_C76.2 ; v2(79.8,47.5) 79.8,46.88 79.4,46.48 79.4,44.4 80.05,43.75 B_U19.3 ; v2(79.8,47.5) B_D15.1
B_N52095: length 2.8
  BOTTOM w0.2: B_L5.1 76.29,45.05 76.32,45.08 B_C80.1 77.33,45.08 77.9,45.64 B_U19.5
B_N57048: length 11.1
  BOTTOM w0.38: B_R62.2 93.81,43.39 94.03,43.17 B_C85.2 91.26,42.75 90.98,43.03 B_U20.1 B_U20.2 90.1,45.55 90.45,45.9 92.07,45.9 92.45,46.28 B_U17.3
B_N57288: length 9.2
  BOTTOM w0.38: B_R61.1 B_R54.1 B_R53.1 94.08,48.8 94.03,48.75 B_U17.1 91.28,48.75 90.9,48.37 90.9,47.47 90.27,46.84 B_U17.4
B_N4905822: length 2
  BOTTOM w0.38: B_C99.2 64.65,33.92 64.02,34.55 B_U21.4
